# Altium PCB waffling60-ALPS.PcbDoc (part 2 of 3)
Units mm, origin at the board's own origin, x right, y up, seen from the top; angles counter-clockwise.
Board outline 284.7 x 94.21 mm, 2 copper layers (Component Side, Bottom Layer), stack 1.571 mm thick; 200 components, 133 nets, 779 pads, 177 vias.
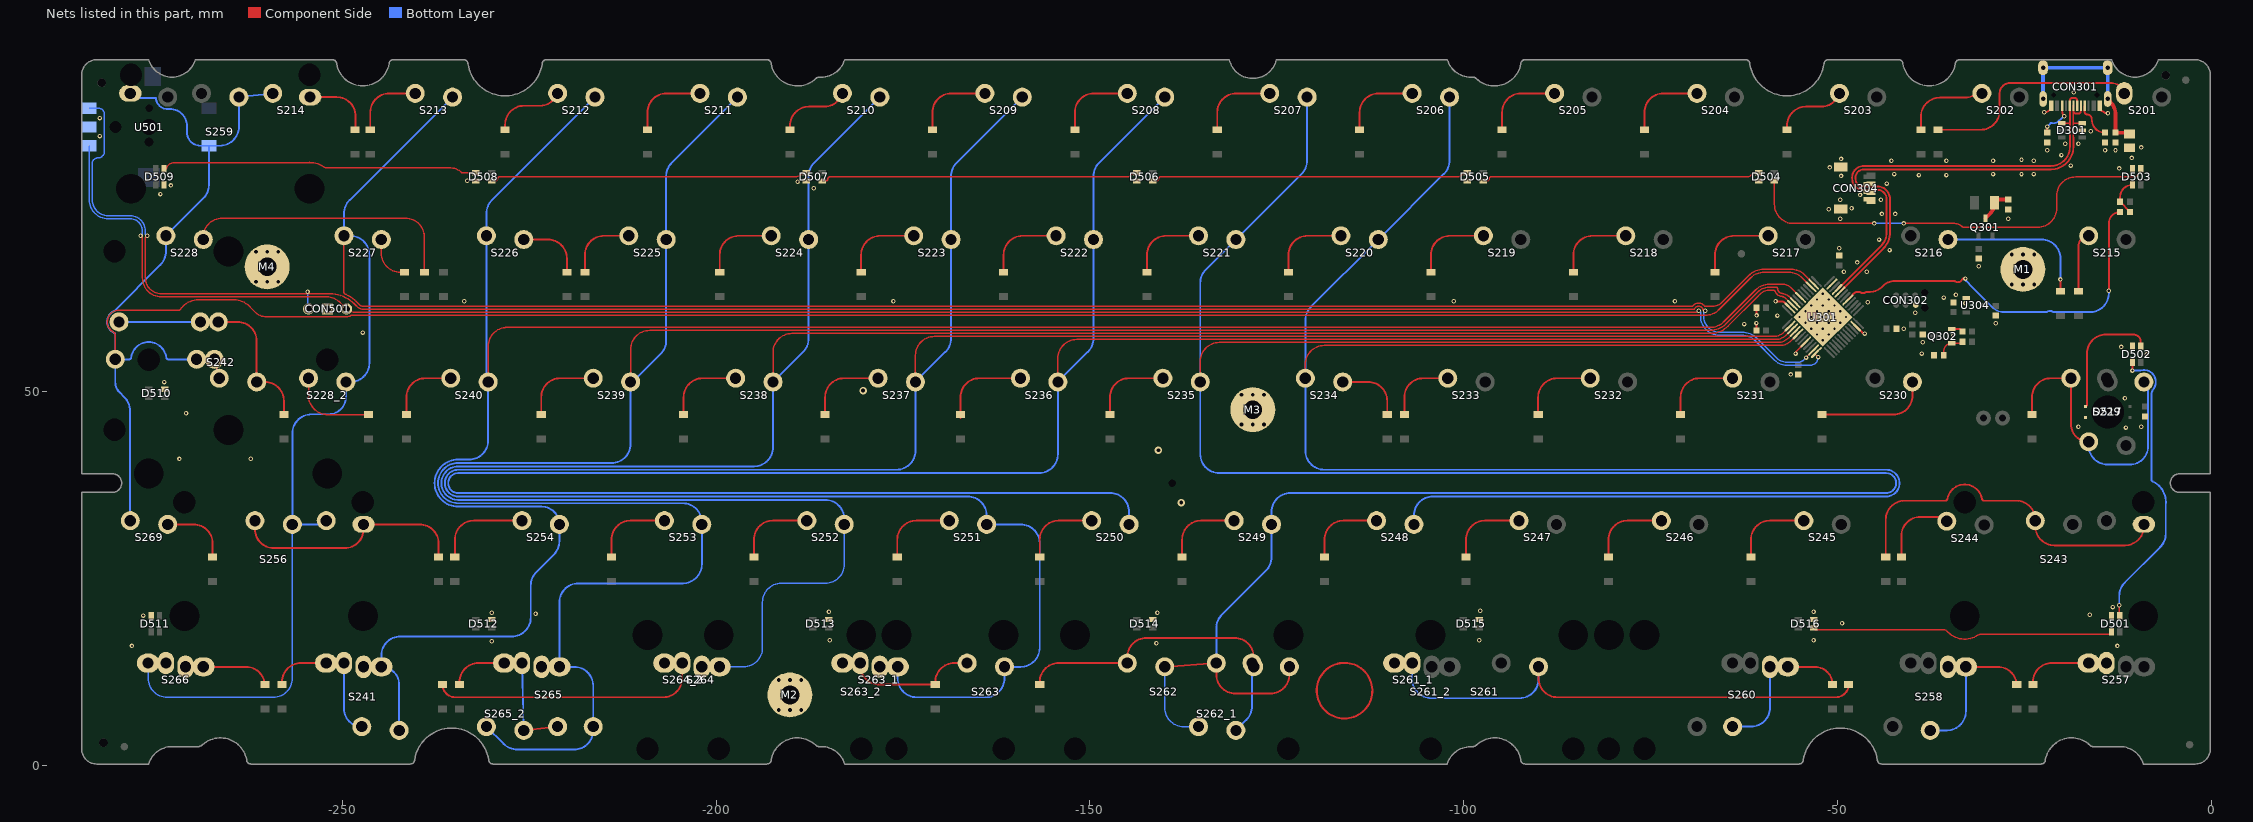
[diagram p2: the nets of this part, all layers, seen from the top]

## Via types
v1: diameter 0.6, hole 0.3, Component Side to Bottom Layer, tented both sides, 145 vias
v2: diameter 0.6, hole 0.3, Component Side to Bottom Layer, tented bottom, 25 vias
v3: diameter 1, hole 0.5, Component Side to Bottom Layer, tented both sides, 7 vias

## Nets (pads, with @x,y where several pads share a name; then routed paths per layer and width w, separated by ;. In a path a pad name is that pad's centre, name@x,y a point inside that pad or via, vN(x,y) a via of type N, cw(c..) or ccw(c..) an arc to the next point about the centre after c; other vN are vias at no path point) (continued)
col6: S206.2 S220.2 S234.2 S248.2 U301.5 | length 275.1
  Component Side w0.203: S234.2@-121.187,51.815 -121.187,53.654 cw(c-118.647,53.654) -118.647,56.194 -57.79,56.194 ccw(c-57.79,58.496) -56.163,56.868 ccw(c-57.79,58.496) -56.162,56.869 U301.5@-55.488,57.543
  Bottom Layer w0.254: S248.2@-106.662,32.265 -106.662,33.464 cw(c-104.122,33.464) -104.122,36.004 -43.5,36.004 ccw(c-43.5,37.79) -43.5,39.576 -118.647,39.576 cw(c-118.647,42.116) -121.187,42.116 S234.2@-121.187,51.815 -121.187,59.55 cw(c-118.647,59.55) -120.444,61.346 S220.2@-111.425,70.365 -102.644,79.146 ccw(c-104.44,80.942) -101.9,80.942 S206.2@-101.9,89.415
col7: S207.2 S221.2 S235.2 S249.2 S262.1 S262_1.2 U301.4 | length 375.4
  Component Side w0.203: S235.2@-135.237,51.315 -135.237,54.058 cw(c-132.697,54.058) -132.697,56.598 -58.059,56.598 ccw(c-58.059,58.815) -56.492,57.246 ; -56.491,57.247 U301.4@-55.841,57.896
  Component Side w0.254: S262.1@-139.999,13.215 S262.1@-133.093,13.715 -133.093,12.192 ccw(c-130.553,12.192) -130.553,9.652 -125.863,9.652 ccw(c-125.863,12.192) -123.323,12.192 S262.1@-123.323,13.215 ; S262.1@-133.443,14.295 S262.1@-133.443,14.605
  Bottom Layer w0.203: S262.1@-139.999,13.215 -139.999,7.755 ccw(c-137.459,7.755) -137.459,5.215 S262_1.2@-135.478,5.215
  Bottom Layer w0.254: S262.1@-133.093,13.715 -133.093,18.382 cw(c-130.553,18.382) -132.349,20.178 -126.456,26.071 ccw(c-128.252,27.867) -125.712,27.867 S249.2@-125.712,32.265 -125.712,33.918 cw(c-123.172,33.918) -123.172,36.458 -43.5,36.458 ccw(c-43.5,37.79) -43.5,39.122 -132.697,39.122 cw(c-132.697,41.662) -135.237,41.662 S235.2@-135.237,51.315 -135.237,64.55 cw(c-132.697,64.55) -134.494,66.346 S221.2@-130.475,70.365 -121.694,79.146 ccw(c-123.49,80.942) -120.95,80.942 S207.2@-120.95,89.415
col8: S208.2 S222.2 S236.2 S250.2 U301.3 | length 335.3
  Component Side w0.203: S236.2@-154.287,51.315 -154.287,54.461 cw(c-151.747,54.461) -151.747,57.001 -58.327,57.001 ccw(c-58.327,59.133) -56.82,57.625 U301.3@-56.195,58.25
  Bottom Layer w0.254: S250.2@-144.762,32.265 -144.762,33.918 ccw(c-147.302,33.918) -147.302,36.458 -234.5,36.458 cw(c-234.5,37.79) -234.5,39.122 -156.827,39.122 ccw(c-156.827,41.662) -154.287,41.662 S236.2@-154.287,51.315 -150.269,55.334 ccw(c-152.065,57.13) -149.525,57.13 S222.2@-149.525,70.365 -149.525,78.838 cw(c-146.985,78.838) -148.781,80.634 S208.2@-140,89.415
col9: S209.2 S223.2 S237.2 S251.2 S263.1 S263_1.1 S263_2.1 U301.2 | length 365.7
  Component Side w0.203: S237.2@-173.337,51.315 -173.337,54.864 cw(c-170.797,54.864) -170.797,57.404 -58.596,57.404 ccw(c-58.596,59.452) -57.149,58.003 U301.2@-56.549,58.604
  Bottom Layer w0.254: S263_1.1@-175.718,13.215 -175.718,11.684 ccw(c-173.178,11.684) -173.178,9.144 -163.971,9.144 ccw(c-163.971,11.684) -161.431,11.684 S263.1@-161.431,13.215 -159.258,13.215 ccw(c-159.258,15.755) -156.718,15.755 -156.718,29.725 ccw(c-159.258,29.725) -159.258,32.265 S251.2@-163.812,32.265 -163.812,33.464 ccw(c-166.352,33.464) -166.352,36.004 -234.5,36.004 cw(c-234.5,37.79) -234.5,39.576 -175.877,39.576 ccw(c-175.877,42.116) -173.337,42.116 S237.2@-173.337,51.315 -169.319,55.334 ccw(c-171.115,57.13) -168.575,57.13 S223.2@-168.575,70.365 -168.575,78.838 cw(c-166.035,78.838) -167.831,80.634 S209.2@-159.05,89.415
col10: S210.2 S224.2 S238.2 S252.2 S264.2 S264_2.2 U301.46 | length 334
  Component Side w0.203: S238.2@-192.387,51.315 -192.387,55.267 cw(c-189.847,55.267) -189.847,57.807 -67.023,57.807 ccw(c-67.023,61.154) -64.657,58.787 ; -64.657,58.787 -60.594,62.85 ; -60.594,62.85 -60.382,63.062 ; -60.382,63.062 cw(c-59.153,61.839) -59.153,63.573 -58.54,63.573 cw(c-58.541,63.369) -58.35,63.439 ccw(c-57.404,63.777) -58.083,63.036 ccw(c-57.404,63.777) -57.631,62.799 cw(c-57.677,62.601) -57.601,62.789 ccw(c-57.447,63.162) -57.505,62.763 ccw(c-57.447,63.162) -57.501,62.762 cw(c-57.649,61.731) -57.353,62.73 ; -57.249,62.709 ccw(c-57.308,62.514) -57.285,62.716 cw(c-57.24,63.117) -57.353,62.73 ; U301.46@-56.195,61.75 -56.912,62.468 ccw(c-57.649,61.731) -57.353,62.73
  Bottom Layer w0.203: S264.2@-199.531,13.215 -196.342,13.215 ccw(c-196.342,15.755) -193.802,15.755 -193.802,21.844 cw(c-191.262,21.844) -191.262,24.384 -185.402,24.384 ccw(c-185.402,26.924) -182.862,26.924 S252.2@-182.862,32.265
  Bottom Layer w0.254: S252.2@-182.862,32.265 -182.862,33.01 ccw(c-185.402,33.01) -185.402,35.55 -234.5,35.55 cw(c-234.5,37.79) -234.5,40.03 -194.927,40.03 ccw(c-194.927,42.57) -192.387,42.57 S238.2@-192.387,51.315 -188.369,55.334 ccw(c-190.165,57.13) -187.625,57.13 S224.2@-187.625,70.365 -187.625,78.838 cw(c-185.085,78.838) -186.881,80.634 S210.2@-178.1,89.415
col11: S211.2 S225.2 S239.2 S253.2 S265.1 S265_2.2 U301.45 | length 348.8
  Component Side w0.203: S239.2@-211.437,51.315 -211.437,55.67 cw(c-208.897,55.67) -208.897,58.21 -67.023,58.21 ccw(c-67.023,61.154) -64.943,59.071 -60.879,63.135 -60.665,63.349 cw(c-59.153,61.839) -59.153,63.976 -58.193,63.976 cw(c-58.209,63.773) -58.006,63.775 ccw(c-57.404,63.777) -58.003,63.722 ccw(c-57.404,63.777) -57.511,63.185 cw(c-57.549,62.986) -57.448,63.162 cw(c-57.672,61.346) -56.377,62.64 U301.45@-55.841,62.104 ; -57.447,63.162 cw(c-57.649,61.731) -57.24,63.117
  Bottom Layer w0.254: S265_2.2@-230.724,5.215 -228.412,2.903 ccw(c-226.616,4.699) -226.616,2.159 -218.977,2.159 ccw(c-218.977,4.699) -216.437,4.699 S265.1@-216.437,5.215 -216.437,10.675 ccw(c-218.977,10.675) -218.977,13.215 S265.1@-220.962,13.215 -220.962,21.844 cw(c-218.422,21.844) -218.422,24.384 -204.452,24.384 ccw(c-204.452,26.924) -201.912,26.924 S253.2@-201.912,32.265 -201.912,32.556 ccw(c-204.452,32.556) -204.452,35.096 -234.5,35.096 cw(c-234.5,37.79) -234.5,40.484 -213.977,40.484 ccw(c-213.977,43.024) -211.437,43.024 -211.437,51.054 -207.419,55.073 ccw(c-209.215,56.869) -206.675,56.869 S225.2@-206.675,70.365 -206.675,78.838 cw(c-204.135,78.838) -205.931,80.634 S211.2@-197.15,89.415
col12: S212.2 S226.2 S240.2 S241.1 S254.2 U301.43 | length 314.6
  Component Side w0.203: S240.2@-230.487,51.315 -230.487,56.074 cw(c-227.947,56.074) -227.947,58.614 -67.023,58.614 ccw(c-67.023,61.154) -65.227,59.358 -60.949,63.635 cw(c-59.153,61.839) -59.153,64.379 -57.277,64.379 cw(c-57.277,62.992) -56.297,63.973 ; -56.296,63.973 U301.43@-55.134,62.811
  Bottom Layer w0.254: S241.1@-242.393,4.715 -242.393,10.834 ccw(c-244.774,10.834) S241.1@-244.774,13.215 -244.774,14.732 cw(c-242.234,14.732) -242.234,17.272 -227.33,17.272 ccw(c-227.33,19.812) -224.79,19.812 -224.79,24.094 cw(c-222.25,24.094) -224.046,25.89 -221.706,28.23 ccw(c-223.502,30.026) -220.962,30.026 S254.2@-220.962,32.265 ccw(c-223.339,32.265) -223.339,34.642 -234.5,34.642 cw(c-234.5,37.79) -234.5,40.938 -233.027,40.938 ccw(c-233.027,43.478) -230.487,43.478 S240.2@-230.487,51.315 cw(c-230.487,51.553) -230.725,51.553 S226.2@-230.725,70.865 -230.725,73.838 cw(c-228.185,73.838) -229.981,75.634 S212.2@-216.2,89.415
col13: S213.2 S227.2 S228_2.2 S256.1 S266.2 U301.38 | length 330.9
  Component Side w0.203: S227.2@-249.775,70.865 -249.775,63.314 ccw(c-249.481,63.314) -249.701,63.118 cw(c-251.623,58.547) -249.481,63.02 cw(c-251.623,58.547) -248.115,62.052 ; -248.111,62.048 -247.858,61.795 ; -247.469,61.483 ccw(c-247.225,62.096) -247.459,61.479 ; -65.496,61.939 cw(c-66.725,63.169) -66.725,61.431 -67.622,61.431 ccw(c-67.691,60.833) -67.76,61.431 ccw(c-68.58,60.85) -69.396,61.436 -247.225,61.436 ; -65.496,61.94 -61.902,65.534 cw(c-59.821,63.452) -59.821,66.395 -56.198,66.395 cw(c-56.198,63.944) -54.465,65.677 U301.38@-53.367,64.579 ; -247.858,61.795 cw(c-248.712,60.939) -247.854,61.791 ; -247.858,61.795 cw(c-248.712,60.939) -247.854,61.791 ; -247.854,61.791 -247.695,61.632 ; -247.695,61.632 cw(c-248.548,60.774) -247.694,61.632 ; -247.695,61.632 cw(c-248.548,60.774) -247.694,61.632 ; -247.694,61.632 cw(c-248.263,61.06) -247.693,61.63 ccw(c-248.263,61.06) -247.694,61.632 ; -247.459,61.479 ccw(c-247.225,62.096) -247.225,61.436 ; -247.459,61.479 cw(c-247.225,62.096) -247.692,61.629 ccw(c-247.225,62.096) -247.459,61.479 ; -247.459,61.479 ccw(c-247.225,62.096) -247.225,61.436
  Component Side w0.254: S256.1@-252.655,32.265 ccw(c-252.655,32.765) S256.1@-252.155,32.765
  Bottom Layer w0.203: S266.2@-275.968,13.715 -275.968,11.684 ccw(c-273.428,11.684) -273.428,9.144 -259.22,9.144 ccw(c-259.22,11.684) -256.68,11.684 S256.1@-256.68,32.265
  Bottom Layer w0.254: S256.1@-252.155,32.765 cw(c-252.655,32.765) -252.655,32.265 S256.1@-256.68,32.265 -256.68,44.45 cw(c-254.14,44.45) -254.14,46.99 -251.841,46.99 ccw(c-251.841,49.319) -249.512,49.319 S228_2.2@-249.512,51.315 -248.92,51.315 ccw(c-248.92,53.855) -246.38,53.855 -246.38,68.325 ccw(c-248.92,68.325) -248.92,70.865 S227.2@-249.775,70.865 -249.775,73.838 cw(c-247.235,73.838) -249.031,75.634 S213.2@-235.25,89.415
col14: S214.2 S228.2 S242.2 S259.2 S269.2 U301.39 U501.1 | length 342.7
  Component Side w0.203: S242.2@-280.361,54.345 -280.361,57.186 ccw(c-282.901,57.186) -280.435,57.796 ccw(c-280.633,57.747) -280.544,57.929 cw(c-279.861,59.345) -279.689,60.907 -271.849,60.907 ccw(c-271.85,61.11) -271.682,60.996 cw(c-269.24,59.353) -269.24,62.297 ; -269.511,62.284 cw(c-269.24,59.353) -269.24,62.297 ; U301.39@-53.72,64.225 -54.743,65.248 ccw(c-56.539,63.452) -56.539,65.992 -59.821,65.992 ccw(c-59.821,63.452) -61.617,65.248 -65.895,60.97 cw(c-67.691,62.766) -67.691,60.226 -248.764,60.226 ccw(c-248.763,60.023) -248.869,60.196 cw(c-249.428,61.087) -249.428,60.035 -260.128,60.035 cw(c-260.128,62.325) -261.396,60.418 cw(c-261.281,60.586) -261.437,60.455 ccw(c-261.747,60.198) -261.461,60.483 -262.338,61.359 -262.413,61.434 ccw(c-264.495,59.353) -264.495,62.297 -269.24,62.297
  Component Side w0.254: S242.2@-267.099,54.345 S242.2@-266.45,51.815
  Bottom Layer w0.254: S259.2@-278.39,90.495 cw(c-278.39,90.108) S259.2@-278.003,90.108 ; S269.2@-278.384,32.765 -278.384,33.345 -278.39,33.345 -278.39,47.468 ccw(c-280.93,47.468) -279.134,49.264 -279.781,49.911 cw(c-278.38,51.312) -280.361,51.312 S242.2@-280.361,54.345 ; S259.2@-278.35,89.915 ccw(c-276.819,91.446) -276.819,89.281 -274.941,89.281 ccw(c-273.35,89.415) -274.912,89.081 ccw(c-273.35,89.415) -273.084,87.84 cw(c-273.084,85.521) -270.764,85.521 -270.764,84.693 ccw(c-268.986,84.693) -268.986,82.915 U501.1@-267.85,82.915 ; S242.2@-269.48,54.345 -273.295,54.345 cw(c-273.295,54.599) -273.548,54.57 ccw(c-275.888,54.3) -278.228,54.57 cw(c-278.481,54.599) -278.481,54.345 S242.2@-280.361,54.345 ; S242.2@-267.099,54.345 S242.2@-266.45,51.815 ; S214.2@-259.3,89.915 S259.2@-263.825,89.415 -263.825,85.455 cw(c-266.365,85.455) -266.365,82.915 U501.1@-267.85,82.915 ; S242.2@-280.361,54.345 -280.361,57.653 ccw(c-280.615,57.655) -280.512,57.887 cw(c-279.861,59.345) -280.75,60.672 cw(c-279.861,59.345) -280.748,60.673 cw(c-279.861,59.345) -280.512,60.803 -274.331,66.984 ccw(c-276.127,68.78) -273.587,68.78 S228.2@-273.587,70.865 -268.594,75.859 ccw(c-270.39,77.655) -267.85,77.655 U501.1@-267.85,82.915
D_N: CON301.A7 CON301.B7 CON304.2 D301.3 U301.32 | length 61.6
  Component Side w0.254: U301.32@-49.513,63.518 -49.513,63.53 -49.083,63.96 cw(c-49.04,63.96) -49.071,63.99 -43.854,69.207 ccw(c-45.971,71.324) -42.977,71.324 -42.977,75.751 ccw(c-44.704,75.751) -44.704,77.479 CON304.2@-45.729,77.479 ; CON304.2@-45.729,77.75 cw(c-46.001,77.75) -45.992,77.479 cw(c-46.001,77.75) -46.001,77.479 -46.609,77.479 cw(c-46.609,78.453) -47.583,78.452 ccw(c-48.04,78.453) -47.587,78.512 cw(c-46.498,78.657) -47.416,79.261 cw(c-46.492,78.646) -46.492,79.756 -21.463,79.756 ccw(c-21.463,82.753) -18.466,82.753 -18.466,83.947 ccw(c-18.923,83.947) -18.47,84.005 cw(c-18.217,84.036) -18.471,84.035 -18.471,85.852 ; CON301.A7@-18.45,88.25 ccw(c-18.45,88.229) -18.471,88.229 -18.471,85.852 ; CON301.A7@-18.427,87.525 ccw(c-18.1,87.525) -18.1,87.198 -17.8,87.198 ccw(c-17.8,87.525) -17.58,87.283 ccw(c-17.8,87.525) -17.473,87.525 -17.473,87.652 CON301.B7@-17.45,88.25 ; D301.3@-17.294,85.913 -18.41,85.913 ccw(c-18.41,85.852) -18.471,85.852
D_P: CON301.A6 CON301.B6 CON304.3 D301.4 U301.33 | length 62.9
  Component Side w0.254: U301.33@-49.866,63.872 -49.854,63.871 -49.424,64.301 ccw(c-49.424,64.344) -49.394,64.314 -44.178,69.53 ccw(c-45.974,71.326) -43.434,71.326 -43.434,75.751 ccw(c-44.704,75.751) -44.704,77.021 CON304.3@-45.55,77.021 ; CON304.3@-45.729,76.75 ccw(c-46.001,76.75) -46.001,77.021 -46.609,77.021 cw(c-46.609,78.453) -48.04,78.453 cw(c-46.498,78.657) -46.498,80.213 -21.469,80.213 ccw(c-21.469,82.753) -18.929,82.753 -18.929,85.979 ; D301.4@-20.044,85.913 -18.995,85.913 ccw(c-18.995,85.979) -18.929,85.979 ; CON301.A6@-17.95,88.25 -17.973,87.652 -17.973,88.353 cw(c-18.3,88.355) -17.973,88.351 -17.973,88.975 ccw(c-18.3,88.975) -18.3,89.302 -18.6,89.302 ccw(c-18.6,88.975) -18.927,88.975 -18.927,88.355 CON301.B6@-18.95,88.25 cw(c-18.95,88.229) -18.929,88.229 -18.929,85.979
ENC_A: CON501.3 U301.12 U501.A | length 254.1
  Component Side w0.203: v1(-276.987,70.866) cw(c-276.987,70.612) -276.733,70.612 -276.733,65.24 ccw(c-274.193,65.24) -274.193,62.7 -252.093,62.7 cw(c-252.093,60.16) -250.297,61.956 CON501.3@-249.428,61.087 ccw(c-248.324,62.191) -248.324,60.63 -68.869,60.63 ccw(c-69.541,61.811) v1(-68.58,60.85) ; U301.12@-53.001,55.068 U301.12@-53.013,55.068 -52.59,54.645 v1(-52.578,54.645)
  Bottom Layer w0.203: U501.A@-283.85,82.915 -283.85,75.692 ccw(c-281.31,75.692) -281.31,73.152 -278.384,73.152 cw(c-278.384,71.501) -276.733,71.501 -276.733,71.12 cw(c-276.987,71.12) v1(-276.987,70.866) ; v1@-68.326,60.706 -68.326,60.104 ccw(c-65.786,60.104) -65.786,57.564 -62.807,57.564 cw(c-62.807,55.024) -61.011,56.82 -58.42,54.229 ccw(c-56.789,55.86) -56.789,53.553 -53.67,53.553 ccw(c-53.67,54.645) v1(-52.578,54.645)
ENC_B: CON501.1 U301.11 U501.B | length 262.8
  Component Side w0.203: v1(-276.098,70.866) ccw(c-276.098,70.634) -276.33,70.634 -276.33,65.24 ccw(c-274.193,65.24) -274.193,63.103 -251.623,63.103 cw(c-251.623,58.547) -248.399,61.766 ; -248.397,61.764 -248.142,61.509 cw(c-248.712,60.939) -248.14,61.507 -247.979,61.346 ; -247.979,61.346 cw(c-248.263,61.06) -247.977,61.344 ccw(c-247.225,62.096) -247.225,61.033 -69.153,61.033 cw(c-68.58,60.85) -67.979,60.833 v1(-67.691,60.833) ; v1@-54.356,54.518 ccw(c-54.356,54.726) v1(-54.209,54.579) U301.11@-53.367,55.422
  Bottom Layer w0.203: U501.B@-283.85,87.915 -282.598,87.915 cw(c-282.598,87.13) -281.813,87.13 -281.813,82.169 cw(c-282.702,82.169) -282.702,81.28 ccw(c-282.702,80.535) -283.447,80.535 -283.447,75.692 ccw(c-281.31,75.692) -281.31,73.555 -278.384,73.555 cw(c-278.384,71.501) -276.33,71.501 -276.33,71.12 cw(c-276.987,71.12) -276.336,71.031 ccw(c-276.098,71.12) v1(-276.098,70.866) ; v1(-254.635,63.373) -254.635,61.394 ccw(c-254.201,61.394) CON501.1@-254.508,61.087 ; v1@-67.923,60.706 -67.923,60.104 ccw(c-65.786,60.104) -67.909,59.864 ccw(c-65.786,60.104) -67.895,59.76 ccw(c-65.786,60.104) -65.786,57.967 -62.807,57.967 cw(c-62.807,55.024) -60.726,57.106 -58.136,54.515 ccw(c-56.789,55.86) -56.789,53.956 -55.239,53.956 ccw(c-55.239,54.94) -54.544,54.244 v1(-54.209,54.579)
GND: C301.1 C302.1 C303.1 C304.1 C305.1 C306.1 C307.1 C308.1 C310.2 C312.1 C517.1 CON301.A1B12 CON301.B1A12 CON302.5 CON304.4 CON304.5 CON501.2 D301.2 D501.3 D502.3 D503.3 D504.3 D505.3 D506.3 D507.3 D508.3 D509.3 D510.3 D511.3 D512.3 D513.3 D514.3 D515.3 D516.3 D517.3 L301.1 M1.1 M2.1 M3.1 M4.1 Q302.2 R301.2 R302.2 R304.2 R305.2 R307.2 U301.8 U301.23 U301.35 U301.47 U304.1 U501.C | length 48.4
  Component Side w0.254: v1(-58.293,62.103) -57.509,62.103 cw(c-57.509,61.49) -57.075,61.924 U301.47@-56.549,61.397 ; v1(-55.626,55.118) -55.56,55.184 -55.56,55.35 U301.8@-54.427,56.482 ; U301.23@-47.391,58.604 -46.727,57.939 ; -46.727,57.939 ccw(c-46.355,58.311) v1(-46.355,57.785) ; Q302.2@-34.741,58.389 -33.704,58.389 cw(c-33.705,58.135) -33.658,58.385 ccw(c-33.528,59.055) -33.528,58.372 R304.2@-33.289,58.074 ; v1(-22.352,87.376) -22.324,87.376 ccw(c-22.324,88.25) CON301.B1A12@-21.45,88.25 ; CON301.A1B12@-14.95,88.25 -14.777,87.687 cw(c-14.984,87.541) -14.776,87.685 ccw(c-13.949,88.25) -14.712,87.602 ccw(c-14.519,87.767) -14.6,87.526 cw(c-14.859,86.741) -14.285,87.337 ccw(c-14.11,87.521) -14.166,87.273 ccw(c-13.949,88.25) -13.949,87.249 v1(-13.843,87.249)
  Component Side w0.279: -112.231,10.152 cw(c-115.948,10.029) -112.231,10.166
  Component Side w0.3: C305.1@-60.848,58.201 v1@-60.848,59.202 ; v1@-60.833,60.213 C304.1@-60.833,61.214
  Bottom Layer w0.254: v2(-55.081,60) v2(-51.97,56.889) ; v2(-52.748,62.333) v2(-49.637,59.222) ; v2(-51.97,63.111) v2(-48.859,60)
  other v1: -278.13,16.002 -12.573,16.002 -141.097,16.383 -229.997,16.637 -184.785,16.764 -97.917,16.764 -53.213,16.764 -49.403,19.05 -276.606,20.066 -16.256,20.193 -224.155,20.32 -229.997,20.447 -140.97,20.447 -184.912,20.574 -53.213,20.574 -97.79,20.701 -13.208,21.209 -271.78,41.021 -262.255,41.036 -11.43,45.212 -17.78,45.339 -9.398,45.339 -270.891,47.117 -11.557,49.149 -273.812,51.308 -56.261,52.324 -8.636,54.991 -38.735,55.118 -12.065,56.007 -38.608,56.642 -34.544,57.531 -247.269,57.927 -41.148,58.42 -62.484,59.055 -28.829,59.182 -60.848,59.194 -58.039,60.198 -60.833,60.221 -39.624,60.579 -32.893,61.849 -45.974,61.976 -233.68,62.103 -176.276,62.103 -101.346,62.103 -71.755,62.103 -35.814,62.611 -34.163,62.992 -49.149,66.04 -46.101,66.04 -31.115,66.802 -47.371,67.31 -43.053,68.961 -49.784,69.215 -44.45,70.358 -49.657,73.152 -27.178,73.152 -44.069,73.787 -42.291,73.787 -51.181,74.422 -48.133,74.549 -49.657,75.692 -44.196,75.692 -46.99,76.327 -274.32,76.454 -186.944,77.216 -272.923,77.597 -43.434,77.851 -189.103,78.105 -233.299,78.232 -49.53,78.867 -39.116,78.994 -35.433,78.994 -42.418,79.121 -29.21,79.121 -25.4,79.121 -23.749,79.121 -12.319,79.883 -51.054,80.01 -18.796,80.264 -42.799,80.899 -35.433,80.899 -29.21,80.899 -23.749,80.899 -25.4,81.026 -49.53,81.153 -10.668,81.28 -20.066,81.661 -21.971,82.296 -14.224,82.296 -12.827,82.296 -9.398,82.677 -19.558,83.185 -17.78,83.185 -282.448,84.201 -16.129,84.836 -282.448,86.614 -18.415,90.043
  other v2: -52.748,57.667 -51.192,57.667 -53.526,58.444 -51.97,58.444 -50.414,58.444 -54.303,59.222 -52.748,59.222 -51.192,59.222 -53.526,60 -51.97,60 -50.414,60 -54.303,60.778 -52.748,60.778 -51.192,60.778 -49.637,60.778 -53.526,61.556 -51.97,61.556 -50.414,61.556 -51.192,62.333
  other v3: -137.795,35.179 -140.843,42.164 -180.34,50.165
LED: R308.2 U301.29 | length 51
  Component Side w0.254: U301.29@-48.452,62.457 -48.375,62.534 ccw(c-48.96,63.119) -48.267,62.667 cw(c-48.055,62.528) -48.236,62.706 -48.061,62.88 ccw(c-48.399,63.217) -47.988,62.976 cw(c-47.77,62.845) -47.95,63.024 -47.805,63.17 cw(c-47.319,62.686) -47.319,63.371 -47.132,63.371 cw(c-47.133,63.117) -46.983,63.322 ccw(c-46.609,63.825) -46.224,63.331 cw(c-46.069,63.13) -46.146,63.371 -45.684,63.371 ccw(c-45.684,65.75) -44.709,63.58 ccw(c-45.684,65.75) -44.001,64.069 -43.858,64.212 cw(c-42.382,62.738) -42.382,64.824 -34.417,64.824 cw(c-34.434,64.571) -34.283,64.775 ccw(c-33.909,65.278) -33.909,64.651 ccw(c-33.909,65.278) -33.343,65.008 cw(c-33.115,64.897) -33.116,65.151 v1(-32.893,65.151) ; v1(-13.716,63.5) -13.716,72.532 cw(c-12.207,72.532) R308.2@-12.207,74.041
  Bottom Layer w0.254: v1(-32.893,65.151) -32.893,65.009 ccw(c-32.639,65.009) -32.819,64.83 -32,64.012 -29.251,61.262 ccw(c-27.777,62.738) -27.777,60.652 -22.113,60.652 ccw(c-22.114,60.906) -21.964,60.701 cw(c-21.59,60.198) -21.937,60.72 cw(c-21.59,60.198) -21.646,60.822 cw(c-21.59,60.198) -21.216,60.701 ccw(c-21.066,60.906) -21.067,60.652 -16.256,60.652 ccw(c-16.256,63.192) -15.585,60.742 ccw(c-16.256,63.192) -13.806,62.521 ccw(c-16.256,63.192) -13.716,63.192 v1(-13.716,63.5)
NetC306_2: C306.2 F301.1 Q301.3 | length 4.7
  Component Side w0.5: Q301.3@-30.226,73.209 -29.624,73.811 ccw(c-31.125,75.311) F301.1@-29.003,75.311 -29.003,75.707 C306.2@-27.178,75.707
NetC309_2: C309.2 Q302.1 R305.1 | length 3.8
  Component Side w0.203: R305.1@-35.799,54.899 -35.799,55.431 cw(c-34.741,55.431) Q302.1@-34.741,56.489 -33.477,56.489 ccw(c-33.477,56.677) C309.2@-33.289,56.677
NetC312_2: C312.2 CON301.S1 L301.2 | length 24.4
  Component Side w0.5: CON301.S1@-13.88,88.561 CON301.S1@-13.88,89.165 CON301.S1@-13.571,88.856 ; CON301.S1@-13.571,88.856 cw(c-15.367,87.06) -12.827,87.06 C312.2@-12.827,84.65 -11.318,84.65 cw(c-11.318,84.09) L301.2@-10.922,84.486
  Bottom Layer w0.5: CON301.S1@-22.52,89.165 CON301.S1@-22.52,93.345 CON301.S1@-13.88,93.345 CON301.S1@-13.88,89.165
NetCON301_A5: CON301.A5 R301.1 | length 5.2
  Component Side w0.254: CON301.A5@-16.95,88.25 -16.95,87.441 ccw(c-16.59,87.441) -16.59,87.081 cw(c-16.59,86.493) -16.285,86.996 cw(c-16.59,86.493) -16.002,86.493 -16.002,86.428 ccw(c-14.224,86.428) R301.1@-14.224,84.65
NetCON301_B5: CON301.B5 R302.1 | length 5.1
  Component Side w0.254: R302.1@-21.971,84.65 v1(-21.971,85.471) ; CON301.B5@-19.95,88.25 -19.95,87.508 ccw(c-19.045,87.508) v1(-19.685,86.868)
  Bottom Layer w0.254: v1(-21.971,85.471) -21.559,85.883 cw(c-21.381,85.702) -21.311,85.946 ccw(c-21.082,86.741) -20.427,86.237 cw(c-20.226,86.081) -20.352,86.301 ccw(c-20.878,87.241) -20.103,86.493 -19.792,86.805 cw(c-19.612,86.625) v1(-19.685,86.868)
NetD201_1: D201.1 S201.1 | length 30.6
  Component Side w0.254: D201.1@-36.576,85.05 -30.861,85.05 ccw(c-30.861,87.59) -28.321,87.59 -28.321,89.916 cw(c-26.924,89.916) -26.924,91.313 -13.56,91.313 cw(c-13.56,88.773) -11.764,90.569 -11.69,90.495 ccw(c-12.254,90.495) S201.1@-12.254,91.059
NetD202_1: D202.1 S202.1 | length 12.9
  Component Side w0.254: D202.1@-38.862,85.05 -38.862,85.117 -38.862,86.799 cw(c-36.322,86.799) -36.322,89.339 -34.32,89.339 cw(c-34.036,86.358) -34.036,89.352 -32.935,89.352 ccw(c-32.935,91.892) -31.139,90.096 -30.74,90.495 cw(c-32.208,90.495) S202.1@-31.209,89.419
NetD203_1: D203.1 S203.1 | length 10.3
  Component Side w0.254: D203.1@-56.769,85.05 -56.769,85.598 cw(c-54.229,85.598) -54.229,88.138 -52.147,88.138 ccw(c-52.147,90.495) S203.1@-49.79,90.495
NetD204_1: D204.1 S204.1 | length 10.8
  Component Side w0.254: D204.1@-75.819,85.05 -75.819,87.375 cw(c-73.279,87.375) -73.279,89.915 S204.1@-68.8,89.915
NetD205_1: D205.1 S205.1 | length 10.8
  Component Side w0.254: D205.1@-94.869,85.05 -94.869,87.375 cw(c-92.329,87.375) -92.329,89.915 S205.1@-87.85,89.915
NetD206_1: D206.1 S206.1 | length 10.8
  Component Side w0.254: D206.1@-113.919,85.05 -113.919,87.375 cw(c-111.379,87.375) -111.379,89.915 S206.1@-106.9,89.915
NetD207_1: D207.1 S207.1 | length 10.8
  Component Side w0.254: D207.1@-132.969,85.05 -132.969,87.375 cw(c-130.429,87.375) -130.429,89.915 S207.1@-125.95,89.915
NetD208_1: D208.1 S208.1 | length 10.8
  Component Side w0.254: D208.1@-152.019,85.05 -152.019,87.375 cw(c-149.479,87.375) -149.479,89.915 S208.1@-145,89.915
NetD209_1: D209.1 S209.1 | length 10.8
  Component Side w0.254: D209.1@-171.069,85.05 -171.069,87.375 cw(c-168.529,87.375) -168.529,89.915 S209.1@-164.05,89.915
NetD210_1: D210.1 S210.1 | length 10.3
  Component Side w0.254: D210.1@-190.119,85.05 -190.119,85.598 cw(c-187.579,85.598) -187.579,88.138 -185.497,88.138 ccw(c-185.497,90.495) S210.1@-183.14,90.495
NetD211_1: D211.1 S211.1 | length 10.8
  Component Side w0.254: D211.1@-209.169,85.05 -209.169,87.375 cw(c-206.629,87.375) -206.629,89.915 S211.1@-202.15,89.915
NetD212_1: D212.1 S212.1 | length 10.4
  Component Side w0.254: D212.1@-228.219,85.05 -228.219,85.725 cw(c-225.679,85.725) -225.679,88.265 -223.47,88.265 ccw(c-223.47,90.495) S212.1@-221.24,90.495
NetD213_1: D213.1 S213.1 | length 9.8
  Component Side w0.254: D213.1@-246.253,85.05 -246.253,87.375 cw(c-243.713,87.375) -243.713,89.915 S213.1@-240.25,89.915
NetD214_1: D214.1 S214.1 | length 9.4
  Component Side w0.254: S214.1@-254.3,89.415 -250.759,89.415 cw(c-250.759,86.875) -248.219,86.875 D214.1@-248.219,85.05
NetD215_1: D215.1 S215.1 | length 8.8
  Component Side w0.254: D215.1@-17.78,63.46 -17.78,69.498 cw(c-16.412,69.498) S215.1@-16.452,70.864 ; S215.1@-16.452,71.445 S215.1@-16.452,70.864 ; S215.1@-16.412,70.865 ccw(c-16.412,69.498) S215.1@-16.452,70.864
NetD216_1: D216.1 S216.1 | length 21.2
  Component Side w0.254: v1(-20.193,65.024) D216.1@-20.193,63.46 ; D216.1@-20.193,63.46 cw(c-20.31,63.46) -20.31,63.343 D216.1@-20.193,63.46
  Bottom Layer w0.254: S216.1@-35.225,70.365 -22.733,70.365 cw(c-22.733,67.825) -20.193,67.825 v1(-20.193,65.024)
NetD217_1: D217.1 S217.1 | length 10.9
  Component Side w0.254: D217.1@-66.4,66 -66.4,68.325 cw(c-63.86,68.325) -63.86,70.865 S217.1@-59.275,70.865
NetD218_1: D218.1 S218.1 | length 10.8
  Component Side w0.254: D218.1@-85.344,66 -85.344,68.325 cw(c-82.804,68.325) -82.804,70.865 S218.1@-78.325,70.865
NetD219_1: D219.1 S219.1 | length 10.8
  Component Side w0.254: D219.1@-104.394,66 -104.394,68.325 cw(c-101.854,68.325) -101.854,70.865 S219.1@-97.375,70.865
NetD220_1: D220.1 S220.1 | length 10.8
  Component Side w0.254: D220.1@-123.444,66 -123.444,68.325 cw(c-120.904,68.325) -120.904,70.865 S220.1@-116.425,70.865
NetD221_1: D221.1 S221.1 | length 10.7
  Component Side w0.254: D221.1@-142.367,66 -142.367,68.325 cw(c-139.827,68.325) -139.827,70.865 S221.1@-135.475,70.865
NetD222_1: D222.1 S222.1 | length 10.8
  Component Side w0.254: D222.1@-161.544,66 -161.544,68.325 cw(c-159.004,68.325) -159.004,70.865 S222.1@-154.525,70.865
NetD223_1: D223.1 S223.1 | length 10.8
  Component Side w0.254: D223.1@-180.594,66 -180.594,68.325 cw(c-178.054,68.325) -178.054,70.865 S223.1@-173.575,70.865
NetD224_1: D224.1 S224.1 | length 10.7
  Component Side w0.254: D224.1@-199.517,66 -199.517,68.325 cw(c-196.977,68.325) -196.977,70.865 S224.1@-192.625,70.865
NetD225_1: D225.1 S225.1 | length 9.7
  Component Side w0.254: D225.1@-217.551,66 -217.551,68.325 cw(c-215.011,68.325) -215.011,70.865 S225.1@-211.675,70.865
NetD226_1: D226.1 S226.1 | length 9
  Component Side w0.254: S226.1@-225.725,70.365 -222.504,70.365 cw(c-222.504,67.825) -219.964,67.825 D226.1@-219.964,66
NetD227_1: D227.1 S227.1 | length 6.4
  Component Side w0.203: S227.1@-244.775,70.365 -244.775,68.54 ccw(c-242.235,68.54) -242.235,66 D227.1@-241.681,66
NetD228_1: D228.1 S228.1 | length 37.5
  Component Side w0.203: S228.1@-268.587,70.365 -268.587,70.691 cw(c-266.047,70.691) -266.047,73.231 -241.554,73.231 cw(c-241.554,70.691) -239.014,70.691 D228.1@-239.014,66
NetD228_2_1: D228_2.1 S228_2.1 | length 11.8
  Component Side w0.203: S228_2.1@-254.512,51.815 -254.512,49.49 ccw(c-251.972,49.49) -251.972,46.95 D228_2.1@-246.507,46.95
NetD229_1: D229.1 S229.1 | length 40.4
  Component Side w0.254: D229.1@-24.003,46.95 -24.003,49.275 cw(c-21.463,49.275) -21.463,51.815 S229.1@-18.794,51.815 ; S229.1@-18.794,52.197 S229.1@-18.794,51.815 ; S229.1@-16.412,43.315 cw(c-16.412,45.696) -18.794,45.696 S229.1@-18.794,51.815 ; S229.1@-9.031,51.315 S229.1@-9.031,52.197
  Bottom Layer w0.254: S229.1@-16.412,43.315 -16.412,42.799 ccw(c-13.872,42.799) -13.872,40.259 -10.922,40.259 ccw(c-10.922,42.726) -8.455,42.726 -8.455,50.739 ccw(c-9.031,50.739) S229.1@-9.031,51.315
NetD230_1: D230.1 S230.1 | length 15.4
  Component Side w0.254: D230.1@-52.07,46.95 -42.527,46.95 ccw(c-42.527,49.49) -39.987,49.49 S230.1@-39.987,51.315
NetD231_1: D231.1 S231.1 | length 10.7
  Component Side w0.254: D231.1@-70.993,46.95 -70.993,49.275 cw(c-68.453,49.275) -68.453,51.815 S231.1@-64.037,51.815
NetD232_1: D232.1 S232.1 | length 10.7
  Component Side w0.254: D232.1@-90.043,46.95 -90.043,49.275 cw(c-87.503,49.275) -87.503,51.815 S232.1@-83.087,51.815
NetD233_1: D233.1 S233.1 | length 9.6
  Component Side w0.254: D233.1@-107.95,46.95 -107.95,49.275 cw(c-105.41,49.275) -105.41,51.815 S233.1@-102.137,51.815
NetD234_1: D234.1 S234.1 | length 9.2
  Component Side w0.254: S234.1@-116.187,51.315 -112.776,51.315 cw(c-112.776,48.775) -110.236,48.775 D234.1@-110.236,46.95
NetD235_1: D235.1 S235.1 | length 10.9
  Component Side w0.254: D235.1@-147.32,46.95 -147.32,49.275 cw(c-144.78,49.275) -144.78,51.815 S235.1@-140.237,51.815
NetD236_1: D236.1 S236.1 | length 12.2
  Component Side w0.254: D236.1@-167.32,46.515 D236.1@-167.32,46.95 -167.32,49.275 cw(c-164.78,49.275) -164.78,51.815 S236.1@-159.287,51.815
NetD237_1: D237.1 S237.1 | length 10.9
  Component Side w0.254: D237.1@-185.42,46.95 -185.42,49.275 cw(c-182.88,49.275) -182.88,51.815 S237.1@-178.337,51.815
NetD238_1: D238.1 S238.1 | length 10.7
  Component Side w0.254: D238.1@-204.343,46.95 -204.343,49.275 cw(c-201.803,49.275) -201.803,51.815 S238.1@-197.387,51.815
NetD239_1: D239.1 S239.1 | length 10.7
  Component Side w0.254: D239.1@-223.393,46.95 -223.393,49.275 cw(c-220.853,49.275) -220.853,51.815 S239.1@-216.437,51.815
NetD240_1: D240.1 S240.1 | length 9.7
  Component Side w0.254: D240.1@-241.427,46.95 -241.427,49.275 cw(c-238.887,49.275) -238.887,51.815 S240.1@-235.487,51.815
NetD241_1: D241.1 S241.2 | length 17.2
  Component Side w0.254: D241.1@-258.064,11.175 cw(c-255.524,11.175) -255.524,13.715 S241.2@-252.156,13.715
  Bottom Layer w0.254: S241.2@-249.774,13.715 -249.774,7.596 ccw(c-247.393,7.596) S241.2@-247.393,5.215
NetD242_1: D242.1 S242.1 | length 29.9
  Component Side w0.254: S242.1@-266.599,59.345 -263.99,59.345 cw(c-263.99,56.805) -261.45,56.805 S242.1@-261.45,51.315 -260.35,51.315 cw(c-260.35,48.775) -257.81,48.775 D242.1@-257.81,46.95
  Bottom Layer w0.254: S242.1@-279.861,59.345 S242.1@-268.98,59.345
NetD243_1: D243.1 S243.1 | length 48.6
  Component Side w0.254: D243.1@-43.561,27.9 -43.561,32.893 cw(c-41.021,32.893) -41.021,35.433 -35.567,35.433 ccw(c-35.567,35.687) -35.317,35.644 cw(c-32.994,35.25) -30.672,35.643 ccw(c-30.421,35.687) -30.421,35.433 -26.096,35.433 cw(c-26.096,32.893) -23.556,32.893 S243.1@-23.556,32.765 -23.556,32.004 ccw(c-21.016,32.004) -21.016,29.464 -11.571,29.464 ccw(c-11.571,32.004) -9.031,32.004 S243.1@-9.031,32.265
NetD244_1: D244.1 S244.2 | length 10.3
  Component Side w0.254: D244.1@-41.468,27.9 -41.468,30.734 cw(c-38.928,30.734) -38.928,33.274 S244.2@-35.433,33.274
NetD245_1: D245.1 S245.1 | length 10.9
  Component Side w0.254: D245.1@-61.595,27.9 -61.595,30.225 cw(c-59.055,30.225) -59.055,32.765 S245.1@-54.512,32.765
NetD246_1: D246.1 S246.1 | length 10.9
  Component Side w0.254: D246.1@-80.645,27.9 -80.645,30.225 cw(c-78.105,30.225) -78.105,32.765 S246.1@-73.562,32.765
NetD247_1: D247.1 S247.1 | length 10.9
  Component Side w0.254: D247.1@-99.695,27.9 -99.695,30.225 cw(c-97.155,30.225) -97.155,32.765 S247.1@-92.612,32.765
NetD248_1: D248.1 S248.1 | length 10.7
  Component Side w0.254: D248.1@-118.618,27.9 -118.618,30.225 cw(c-116.078,30.225) -116.078,32.765 S248.1@-111.662,32.765
NetD249_1: D249.1 S249.1 | length 10.7
  Component Side w0.254: D249.1@-137.668,27.9 -137.668,30.225 cw(c-135.128,30.225) -135.128,32.765 S249.1@-130.712,32.765
NetD250_1: D250.1 S250.1 | length 10.7
  Component Side w0.254: D250.1@-156.718,27.9 -156.718,30.225 cw(c-154.178,30.225) -154.178,32.765 S250.1@-149.762,32.765
NetD251_1: D251.1 S251.1 | length 10.7
  Component Side w0.254: D251.1@-175.768,27.9 -175.768,30.225 cw(c-173.228,30.225) -173.228,32.765 S251.1@-168.812,32.765
NetD252_1: D252.1 S252.1 | length 10.9
  Component Side w0.254: D252.1@-194.945,27.9 -194.945,30.225 cw(c-192.405,30.225) -192.405,32.765 S252.1@-187.862,32.765
NetD253_1: D253.1 S253.1 | length 10.9
  Component Side w0.254: D253.1@-213.995,27.9 -213.995,30.225 cw(c-211.455,30.225) -211.455,32.765 S253.1@-206.912,32.765
NetD254_1: D254.1 S254.1 | length 12.8
  Component Side w0.254: D254.1@-234.95,27.9 -234.95,30.225 cw(c-232.41,30.225) -232.41,32.765 S254.1@-225.962,32.765
NetD255_1: D255.1 S256.2 | length 32.5
  Component Side w0.254: S256.2@-261.68,32.765 -261.68,31.623 ccw(c-259.14,31.623) -259.14,29.083 -249.695,29.083 ccw(c-249.695,31.623) -247.155,31.623 S256.2@-247.155,32.265 -239.649,32.265 cw(c-239.649,29.725) -237.109,29.725 D255.1@-237.109,27.9
NetD256_1: D256.1 S269.1 | length 9.3
  Component Side w0.254: S269.1@-273.35,32.265 -269.875,32.265 cw(c-269.875,29.725) -267.335,29.725 D256.1@-267.335,27.9
NetD257_1: D257.1 S257.2 | length 8.9
  Component Side w0.254: D257.1@-23.876,11.175 cw(c-21.336,11.175) -21.336,13.715 S257.2@-16.412,13.715
NetD258_1: D258.1 S258.1 | length 20.4
  Component Side w0.254: S258.1@-32.843,13.215 -28.575,13.215 cw(c-28.575,10.675) D258.1@-26.035,10.675
  Bottom Layer w0.254: S258.1@-37.606,4.715 -35.383,4.715 ccw(c-35.383,7.255) -32.843,7.255 S258.1@-32.843,13.215
NetD260_1: D260.1 S260.1 | length 19.2
  Component Side w0.254: S260.1@-56.656,13.215 -53.038,13.215 cw(c-53.038,10.85) D260.1@-50.673,10.85
  Bottom Layer w0.254: S260.1@-64.037,5.215 -61.577,5.215 ccw(c-61.577,7.755) -59.037,7.755 S260.1@-59.037,13.215
NetD261_1: D261.1 S261.1 S261_1.1 S261_2.2 | length 69.1
  Component Side w0.254: S261.1@-89.993,13.215 -89.993,11.684 ccw(c-87.453,11.684) -87.453,9.144 -50.22,9.144 ccw(c-50.22,10.85) D261.1@-48.514,10.85
  Bottom Layer w0.254: S261_2.2@-106.899,13.715 -106.899,11.557 ccw(c-104.359,11.557) -104.359,9.017 -92.533,9.017 ccw(c-92.533,11.557) -89.993,11.557 S261.1@-89.993,13.215
NetD262_1: D262.1 S262.2 S262_1.1 | length 45.9
  Component Side w0.254: D262.1@-156.718,10.85 -156.718,11.175 cw(c-154.178,11.175) -154.178,13.715 S262.2@-144.999,13.715 -144.999,14.525 cw(c-142.459,14.525) -142.459,17.065 -130.633,17.065 cw(c-130.633,14.525) -128.093,14.525 S262.2@-128.093,13.215 ; S262.2@-145.039,14.295 S262.2@-145.039,14.605
  Bottom Layer w0.254: S262.2@-145.039,14.295 S262.2@-145.039,14.478 ; S262_1.1@-130.478,4.715 -129.067,6.126 ccw(c-130.863,7.922) -128.323,7.922 S262.2@-128.323,13.715 ; S262.2@-128.363,14.295 S262.2@-128.363,14.478
NetD263_1: D263.1 S263.2 S263_1.2 S263_2.2 | length 17.8
  Component Side w0.254: S263_1.2@-180.718,13.715 -180.718,13.39 ccw(c-178.178,13.39) -178.178,10.85 D263.1@-170.688,10.85 -170.688,11.175 cw(c-168.148,11.175) -168.148,13.715 S263.2@-166.431,13.715
NetD264_1: D264.1 S264.1 S264_2.1 | length 36.5
  Component Side w0.254: D264.1@-236.601,10.85 ccw(c-234.895,10.85) -234.895,9.144 -207.071,9.144 ccw(c-207.071,11.684) -204.531,11.684 S264.1@-204.531,13.715
NetD265_1: D265.1 S265.2 S265_2.1 | length 21.3
  Component Side w0.254: D265.1@-234.315,10.85 -234.315,11.175 cw(c-231.775,11.175) -231.775,13.715 S265.2@-228.343,13.715 ; S265_2.1@-225.724,4.715 S265.2@-221.199,5.215
  Bottom Layer w0.254: S265.2@-225.962,13.715 S265_2.1@-225.724,4.715
NetD266_1: D266.1 S266.1 | length 9.7
  Component Side w0.254: S266.1@-268.587,13.215 -262.89,13.215 cw(c-262.89,10.675) D266.1@-260.35,10.675
NetD501_2: D501.2 D502.4 | length 40.1
  Component Side w0.254: v1(-12.319,21.463) -12.319,20.217 ccw(c-12.104,20.217) D501.2@-12.256,20.065 ; v1(-10.556,52.832) D502.4@-10.556,53.935
  Bottom Layer w0.254: v1(-12.319,21.463) -12.319,22.697 cw(c-9.779,22.697) -11.575,24.493 -6.853,29.215 ccw(c-8.649,31.012) -6.109,31.012 -6.109,34.926 ccw(c-9.118,35.25) -7.467,37.787 ccw(c-9.118,35.25) -7.854,38.001 cw(c-7.747,38.231) -8.001,38.23 -8.001,49.64 cw(c-6.641,49.64) -7.891,50.175 cw(c-7.658,50.074) -7.848,50.243 ; v1(-10.556,52.832) -9.568,52.832 ccw(c-9.57,53.086) -9.497,52.843 cw(c-9.031,51.315) -8.181,52.667 cw(c-9.031,51.315) -7.848,50.243 ; -7.578,50.654 cw(c-9.031,51.315) -7.847,50.243
NetD501_4: D501.4 D516.2 | length 40.8
  Component Side w0.203: D516.2@-53.158,18.45 ccw(c-52.742,18.45) -53.076,18.202 -36.007,18.202 ; -36.006,18.202 cw(c-36.007,17.138) -35.24,17.875 cw(c-35.639,17.489) -35.238,17.874 ; -35.238,17.873 cw(c-36.007,17.138) -35.236,17.871 ccw(c-32.994,20.01) -35.109,17.746 ccw(c-32.994,20.01) -34.993,17.643 ccw(c-32.994,20.01) -31.436,17.332 ccw(c-32.994,20.01) -31.434,17.333 cw(c-31.157,16.852) -31.431,17.335 cw(c-30.903,16.412) -31.416,17.344 ; -31.415,17.344 -31.271,17.423 ; -31.27,17.424 cw(c-30.755,16.493) -30.759,17.557 cw(c-30.757,17.001) -30.757,17.557 -13.356,17.557 D501.4@-13.356,17.935
NetD502_2: D502.2 D517.4 | length 17
  Component Side w0.254: D517.4@-16.857,48.065 ccw(c-16.857,48.285) -16.637,48.285 -16.637,55.118 cw(c-14.097,55.118) -14.097,57.658 -10.414,57.658 cw(c-10.414,56.7) -9.456,56.7 D502.2@-9.456,56.065
NetD503_2: D503.2 D504.4 | length 58.9
  Component Side w0.203: D504.4@-58.441,78.2 -58.441,75.057 ccw(c-55.901,75.057) -55.901,72.517 v1(-45.085,72.517) ; v1(-41.148,72.517) -34.321,72.517 cw(c-34.321,71.216) -33.401,72.136 ccw(c-33.094,72.443) -33.094,72.009 -23.241,72.009 ccw(c-23.241,74.549) -20.701,74.549 -20.701,76.2 cw(c-18.161,76.2) -20.188,77.731 cw(c-18.161,76.2) -18.161,78.74 -10.531,78.74 ccw(c-10.531,79.815) D503.2@-9.456,79.815
  Bottom Layer w0.203: v1(-45.085,72.517) v1(-41.148,72.517)
NetD503_4: D503.4 R306.2 R308.1 | length 5.1
  Component Side w0.254: R308.1@-10.907,74.041 -11.18,74.339 -11.934,75.14 R306.2@-12.207,75.438 -12.207,76.034 cw(c-10.556,76.034) D503.4@-10.556,77.685
NetD504_2: D504.2 D505.4 | length 37.3
  Component Side w0.203: D505.4@-97.374,78.2 -96.891,78.2 ccw(c-96.891,78.486) -96.605,78.486 cw(c-96.347,78.486) -96.347,78.744 -62.18,78.744 ccw(c-62.18,79.706) -61.309,79.3 D504.2@-60.571,79.3
NetD505_2: D505.2 D506.4 | length 42.6
  Component Side w0.203: D506.4@-141.591,78.2 -141.108,78.2 ccw(c-141.108,78.486) -140.822,78.486 cw(c-140.564,78.486) -140.564,78.744 -101.025,78.744 -100.953,78.744 ccw(c-100.953,79.808) -100.951,78.744 ccw(c-100.953,79.808) -100.018,79.3 D505.2@-99.504,79.3
NetD506_2: D506.2 D507.4 | length 42.6
  Component Side w0.203: D507.4@-185.808,78.2 -185.325,78.2 ccw(c-185.325,78.486) -185.039,78.486 cw(c-184.781,78.486) -184.781,78.744 -145.242,78.744 -145.17,78.744 ccw(c-145.17,79.808) -145.168,78.744 ccw(c-145.17,79.808) -144.235,79.3 D506.2@-143.721,79.3
NetD507_2: D507.2 D508.4 | length 42.6
  Component Side w0.203: D508.4@-230.024,78.2 -229.521,78.2 ccw(c-229.521,78.486) -229.235,78.486 cw(c-228.977,78.486) -228.977,78.744 -189.428,78.744 ccw(c-189.428,79.947) -189.066,78.8 ccw(c-189.386,79.815) -188.455,79.3 D507.2@-187.938,79.3
NetD508_2: D508.2 D509.4 | length 42.4
  Component Side w0.203: D509.4@-273.856,79.815 -273.568,79.815 cw(c-272.497,79.52) -272.497,80.63 -257.175,80.63 -254.904,80.63 cw(c-254.387,77.16) -253.87,80.63 cw(c-254.387,77.16) -253.824,80.623 cw(c-253.913,80.074) -253.823,80.623 cw(c-254.387,77.16) -252.254,79.946 -238.258,79.946 -235.485,79.946 cw(c-235.485,79.39) -235.483,79.946 cw(c-235.485,79.39) -235.468,79.945 cw(c-235.464,79.39) -235.464,79.945 cw(c-235.464,78.003) -234.018,79.3 D508.2@-232.154,79.3